# KiCad board Marble_Tiny.kicad_pcb (continued)
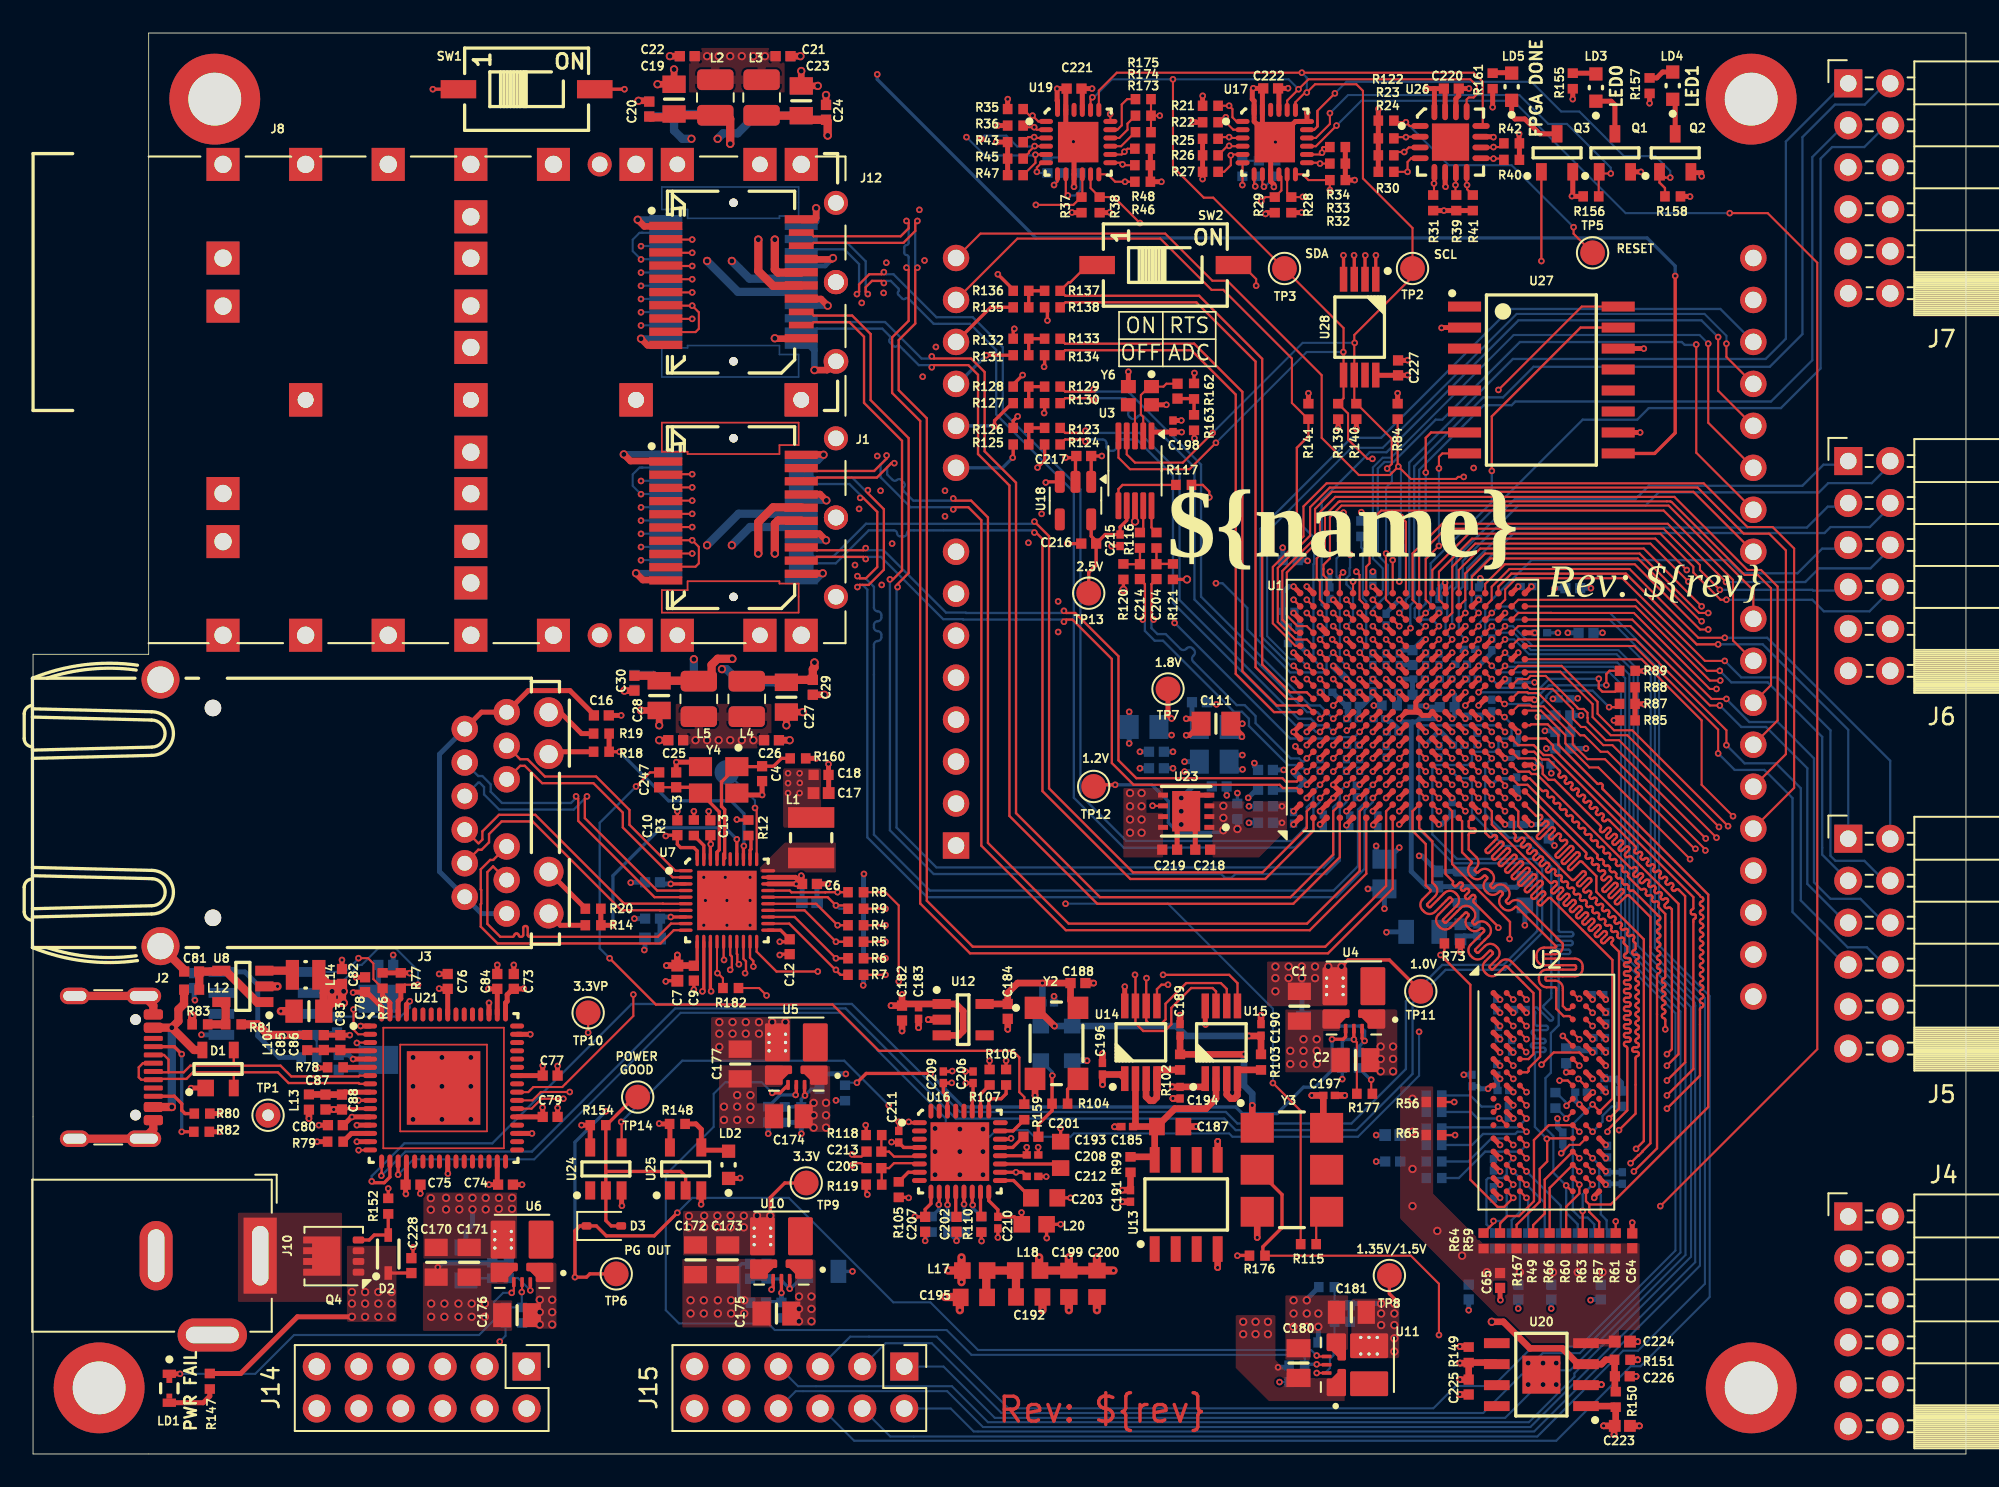
[diagram p0: board, top side]
## Routing (per net, layer and track width the routed paths; a pad name or vN(x,y) marks a point on that pad's centre or on a via; arc(x,y) is an arc through that point) (continued)
/Ethernet/MDI1_N: length 18.2
  Top w0.14: U7.5 37.62,33.7 33,38.32 33,39.67 v1(32.87,39.8)
  Bottom w0.14: v1(32.87,39.8) 32.87,39.71 32.56,39.4 28.38,39.4 27.7,40.08 27.7,40.53 27.19,41.03 26.95,41.03 J3.5
/Ethernet/MDI1_P: length 18.3
  Top w0.14: U7.4 37.78,34.1 33.4,38.48 33.4,39.67 v1(33.53,39.8)
  Bottom w0.14: v1(33.53,39.8) 32.73,39 28.22,39 27.3,39.92 27.3,40.36 27.03,40.63 26.95,40.63 J3.4
/Ethernet/MDI2_N: length 16.9
  Top w0.14: J3.2 26.95,36.57 27.15,36.57 27.6,37.02 27.6,37.52 28.37,38.28 30.23,38.28 35.61,32.91 37.96,32.91 37.96,32.9 U7.7
/Ethernet/MDI2_P: length 16.9
  Top w0.14: U7.6 38.13,33.3 38.12,33.31 35.77,33.31 30.4,38.68 28.2,38.68 27.2,37.68 27.2,37.19 26.98,36.97 26.95,36.97 J3.3
/Ethernet/MDI3_N: length 18.8
  Top w0.14: U7.10 38.78,31.7 37.98,30.9 28.12,30.9 27.1,31.92 27.1,33.28 27.13,33.31 27.13,34.13 27.1,34.16 27.1,35.38 27.67,35.95 27.85,35.95 J3.9
/Ethernet/MDI3_P: length 18.8
  Top w0.14: U7.9 38.62,32.1 37.82,31.3 30.05,31.3 arc(29.97,31.33) 29.94,31.41 29.94,31.85 arc(29.91,31.92) 29.83,31.95 29.78,31.95 arc(29.71,31.92) 29.67,31.85 29.67,31.41 arc(29.64,31.33) 29.57,31.3 29.5,31.3 arc(29.43,31.33) 29.4,31.4 arc(29.37,31.47) 29.3,31.5 29.23,31.5 arc(29.16,31.47) 29.13,31.4 arc(29.1,31.33) 29.03,31.3 28.28,31.3 27.5,32.08 27.5,35.22 27.83,35.55 27.85,35.55 J3.8
/Ethernet/RX0_T: length 6
  Top w0.14: R4.2 v1(48.7,32) 47.4,33.3 U7.25
  Bottom w0.14: R4.2 v1(48.7,32)
/Ethernet/RX1_T: length 6.3
  Top w0.14: R5.2 v1(48.6,31) 46.7,32.9 U7.24
  Bottom w0.14: R5.2 v1(48.6,31)
/Ethernet/RX2_T: length 6.6
  Top w0.14: R6.2 v1(48.6,30) 46.1,32.5 U7.23
  Bottom w0.14: R6.2 v1(48.6,30)
/Ethernet/RX3_T: length 7
  Top w0.14: R7.2 48.87,29 45.77,32.1 U7.22
  Bottom w0.14: v1(48.6,29.3) 48.9,29 R7.2
/Ethernet/RXC_T: length 5.5
  Top w0.14: U7.27 45.8,34.1 45.91,33.99 47.96,33.99 47.96,34 R8.2
  Bottom w0.14: R8.2 v1(48.7,34)
/Ethernet/RXCTL_T: length 5.9
  Top w0.14: U7.26 48.1,33.7 v1(48.6,33.2) 49.13,33.2 R9.2
  Bottom w0.14: R9.2 48.8,33 v1(48.6,33.2)
/FPGA_MISC/CCLK: length 36.7
  Top w0.127: U27.16 93.75,69.44 v1(88.7,64.4)
  Top w0.14: v1(79.52,43.78) 79.58,43.78 U1.E8
  In5.Cu w0.14: v1(88.7,64.4) 84.7,60.4 84.7,49.94 84.46,49.7 84.14,49.7 83.34,48.9 81.74,48.9 81.5,48.66 81.5,48.34 81.26,48.1 80.94,48.1 80.7,47.86 80.7,47.54 80.46,47.3 79.34,47.3 79.1,47.06 79.1,44.1 79.42,43.78 v1(79.52,43.78)
/FPGA_MISC/VREF: length 14.5
  Top w0.3: U1.L10 v1(85.1,46.1)
  In5.Cu w0.3: v1(83.9,36.2) 83.4,36.7 83.4,43.6 85.1,45.3 v1(85.1,46.1)
  Bottom w0.3: U9.2 86.65,35.26 C151.2 84.06,36.2 v1(83.9,36.2)
/SFP/I2C_SFP0_SCL: length 52.5
  Top w0.127: 38.3,71.1 v1(39.9,71.1) ; R24.1 82.57,78.8 v1(83,78.8) 83.28,79.07 U26.3
  In2.Cu w0.127: v1(83,78.8) 81.6,80.2 81.2,80.2 79.8,81.6 74.4,81.6 73,80.2 71.4,80.2 71.1,79.9 69.7,79.9 69.23,80.37 68.48,80.37 68.47,80.36 67.93,80.36 67.92,80.37 64.77,80.37 61.84,77.44 61.53,77.44 61.04,76.96 60.5,76.96 60.35,77.1 52.93,77.1 49.43,73.6 46.9,73.6 44.4,71.1 v1(39.9,71.1)
/SFP/I2C_SFP0_SDA: length 52.9
  Top w0.127: R23.1 82.44,79.7 v1(83.1,79.7) 83.12,79.72 U26.2 ; 38.3,71.9 v1(39.9,71.9)
  In2.Cu w0.127: v1(83.1,79.7) 82.3,80.5 81.4,80.5 80.05,81.85 74.05,81.85 72.7,80.5 70.8,80.5 70.53,80.23 69.9,80.23 69.43,80.7 68.45,80.7 68.36,80.61 68.04,80.61 67.95,80.7 63.56,80.7 62.1,79.24 62.1,78.3 61.5,77.7 61.43,77.7 60.94,77.21 60.6,77.21 60.31,77.5 52.9,77.5 49.3,73.9 46.6,73.9 44.3,71.6 40.2,71.6 v1(39.9,71.9)
/SFP/I2C_SFP1_SCL: length 58.4
  Top w0.127: U26.5 84.83,76.92 v1(84.8,76.9) 84.8,76.24 R31.1 ; 38.3,56.9 v1(39.9,56.9)
  In2.Cu w0.127: v1(39.9,56.9) 41.9,58.9 48.98,58.9 50.98,60.9 52.1,60.9 52.28,60.72 60.52,60.72 62.9,63.1 62.9,66.6 65.4,69.1 68.9,69.1 73.9,74.1 79.2,74.1 82,76.9 v1(84.8,76.9)
/SFP/I2C_SFP1_SDA: length 57.8
  Top w0.127: R30.1 v1(83.2,77.6) 83.2,78.2 83.42,78.42 U26.4 ; 38.3,57.7 v1(39.9,57.7)
  In2.Cu w0.127: v1(39.9,57.7) 41.6,59.4 49.07,59.4 50.97,61.3 54.94,61.3 55.26,60.98 60.28,60.98 62.5,63.2 62.5,66.8 65.2,69.5 68.6,69.5 73.6,74.5 78.5,74.5 81.6,77.6 v1(83.2,77.6)
/SFP/I2C_SFP2_SCL: length 70.7
  Top w0.127: U26.8 86.78,76.82 v1(86.8,76.8) 86.8,76.54 R41.1
  In2.Cu w0.127: v1(36.8,70.7) 36.15,71.35 36.15,73.37 40.29,77.51 40.29,80.52 41.05,81.27 54.47,81.27 57.2,84 83.6,84 87,80.6 88.05,80.6 88.79,79.86 88.79,78.24 87.35,76.8 v1(86.8,76.8)
  Bottom w0.127: v1(36.8,70.7) 36.81,70.71 38.3,70.71
/SFP/I2C_SFP2_SDA: length 75.1
  Top w0.127: R39.1 86.1,76.24 v1(86.1,76.8) 86.12,76.82 U26.7
  In2.Cu w0.127: v1(36.8,69.9) 35.9,70.8 35.9,75.76 37.81,77.67 37.81,79.68 39.82,81.7 54.2,81.7 57,84.5 83.6,84.5 87,81.1 88.2,81.1 89.1,80.2 89.1,77.8 87.7,76.4 86.5,76.4 v1(86.1,76.8)
  Bottom w0.127: 38.3,69.91 36.81,69.91 v1(36.8,69.9)
/SFP/I2C_SFP3_SCL: length 67.5
  Top w0.127: U26.10 88.38,79.07 v1(88.4,79.1) 88.95,79.1 89.18,79.32
  In2.Cu w0.127: v1(88.4,79.1) 85.2,79.1 84.5,78.4 82.6,78.4 81.25,79.75 80.3,79.75 80.26,79.71 79.94,79.71 79.9,79.75 78.52,79.75 78.19,80.08 74.58,80.08 69.9,75.4 66.84,75.4 65.44,74 61.6,74 56.45,68.85 56.28,68.85 56.28,68.85 54.05,68.85 52.86,67.66 47.56,67.66 45.57,65.67 44.9,65.67 43.42,64.2 41.2,64.2 37.85,60.85 37.85,57.54 v1(36.8,56.49)
  Bottom w0.127: 38.3,56.5 36.81,56.5 v1(36.8,56.49)
/SFP/I2C_SFP3_SDA: length 67
  Top w0.127: 89.11,78.4 v1(88.4,78.4) 88.38,78.42 U26.9
  In2.Cu w0.127: 81.3,79.2 76.6,79.2 75.1,77.7 72.8,77.7 70.1,75 66.9,75 65.64,73.74 61.94,73.74 56.8,68.6 56.39,68.6 56.39,68.6 54.6,68.6 53.36,67.35 47.99,67.35 47.99,67.35 47.75,67.35 45.76,65.36 44.99,65.36 43.52,63.9 41.5,63.9 38.2,60.6 38.2,57.09 v1(36.8,55.69) ; v1(88.4,78.4) 85.4,78.4 85,78 82.5,78 81.33,79.17
  Bottom w0.127: 38.3,55.7 36.81,55.7 v1(36.8,55.69)
/SFP/RS0: length 44.6
  Top w0.127: U17.4 72.42,79.15 v1(72.4,79.17) 72.31,79.17 R26.1 ; 38.3,69.5 v1(39.9,69.5) 40.3,69.1 40.3,68.1 40.1,67.9 38.3,67.9
  In2.Cu w0.127: v1(39.9,69.5) 45,69.5 47.4,71.9 49.7,71.9 50.45,72.65 50.45,73.65 53.2,76.4 61.95,76.4 62.19,76.64 62.19,76.87 65.03,79.71 68.69,79.71 69.23,79.17 v1(72.4,79.17)
/SFP/RS1: length 60
  Top w0.127: 38.3,53.7 40.1,53.7 40.3,53.9 40.3,54.9 v1(39.9,55.3) 38.3,55.3 ; R33.1 v1(77.9,78.1) 77.85,78.15 U17.13
  In2.Cu w0.127: 73.48,76.52 73.36,76.41 ; 73.48,76.52 68.85,71.9 62.8,71.9 60.6,69.7 60.6,68 56.37,63.77 55.43,63.77 55.2,64 49.35,64 47.42,62.07 44.17,62.07 43.55,62.7 41.9,62.7 39.1,59.9 39.1,56.1 v1(39.9,55.3) ; 73.48,76.52 73.59,76.64 73.59,76.93 73.8,77.14 76.2,77.14 77.16,78.1 v1(77.9,78.1)
/SFP/RS2: length 34.3
  Top w0.127: U19.4 60.64,79.15 v1(60.63,79.16) 60.29,78.82 60.29,78.75 R45.1
  In2.Cu w0.127: v1(57.4,79.6) 57.1,79.3 43.56,79.3 36.8,72.54 v1(36.8,72.3)
  Bottom w0.127: v1(60.63,79.16) 60.6,79.14 59.56,79.14 58.91,79.79 57.59,79.79 v1(57.4,79.6) ; 36.9,73.91 36.71,73.91 36.3,73.5 36.3,72.8 v1(36.8,72.3) 36.81,72.31 38.3,72.31 ; 36.9,73.91 36.81,73.91 36.8,73.9 ; 36.9,73.91 38.3,73.91
/SFP/RS3: length 47
  Top w0.127: U19.13 65.85,78.15 66,78 R46.1
  In2.Cu w0.127: v1(36.8,58.09) 37.2,58.49 37.2,61 41,64.8 43,64.8 44.5,66.3 45.4,66.3 47.3,68.2 51.9,68.2 54.7,71 54.7,72.84 55.68,73.82 58.32,73.82 59.25,74.75 63.25,74.75 64.4,75.9 64.4,76.5 v1(65.95,78.05)
  Bottom w0.127: 36.8,59.69 36.81,59.7 36.9,59.7 ; 38.3,59.7 36.9,59.7 ; 36.9,59.7 36.71,59.7 36.3,59.29 36.3,58.59 v1(36.8,58.09) 36.81,58.1 38.3,58.1
/SFP/SFP0_DEF0: length 39.9
  Top w0.127: U17.3 72.45,79.65 v1(72.4,79.7) 71.83,79.7 R25.1 ; 38.3,70.3 v1(39.9,70.3)
  In2.Cu w0.127: v1(39.9,70.3) 44.1,70.3 47.1,73.3 49.6,73.3 53.1,76.8 60.29,76.8 60.39,76.7 61.15,76.7 61.64,77.19 62.09,77.19 64.95,80.05 68.85,80.05 69.25,79.65 71.45,79.65 71.5,79.7 v1(72.4,79.7)
/SFP/SFP0_LOS: length 43.6
  Top w0.127: R27.1 72.1,77.6 72.5,78 v1(72.5,78.6) 72.55,78.65 U17.5 ; 38.3,68.7 v1(39.9,68.7)
  In2.Cu w0.127: v1(39.9,68.7) 44.7,68.7 45.1,69.1 47.6,69.1 47.64,69.06 50.46,69.06 51,69.6 51,73.6 53.5,76.1 62.01,76.1 62.62,76.71 62.62,76.86 62.85,77.09 62.86,77.09 65.08,79.3 68.6,79.3 69.3,78.6 v1(72.5,78.6)
/SFP/SFP0_TX_DIS: length 40.7
  Top w0.127: R22.2 72.1,80.6 72.2,80.7 v1(72.2,80.9) 72.2,80.6 72.65,80.15 U17.2 ; 38.3,72.7 v1(39.9,72.7)
  In2.Cu w0.127: v1(39.9,72.7) 44.8,72.7 46.4,74.3 49.2,74.3 52.8,77.9 60.51,77.9 60.6,77.99 61.19,77.99 61.6,78.4 61.6,79.1 63.5,81 64.1,81 64.9,81.8 70,81.8 70.9,80.9 v1(72.2,80.9)
/SFP/SFP0_TX_FAULT: length 40.5
  Top w0.127: 38.3,73.5 v1(39.9,73.5) ; U17.1 72.85,80.65 72.6,80.9 72.6,81.4 v1(72.4,81.6) R21.1
  In2.Cu w0.127: v1(72.4,81.6) 72.3,81.7 70.5,81.7 70.01,82.19 64.79,82.19 64,81.4 63.4,81.4 61.3,79.3 61.3,78.6 60.94,78.24 60.5,78.24 60.45,78.2 52.6,78.2 49,74.6 45.7,74.6 45.04,73.94 40.34,73.94 v1(39.9,73.5)
/SFP/SFP1_DEF0: length 55.5
  Top w0.127: 38.3,56.1 v1(39.9,56.1) ; v1(78.5,76.5) 78.49,76.51 R32.1 77.2,77.1 76.85,77.45 U17.12
  In2.Cu w0.127: v1(39.9,56.1) 39.4,56.6 39.4,59.5 40.3,60.4 46.15,60.4 49.25,63.5 56.64,63.5 60.87,67.73 60.87,69.57 62.8,71.5 68.93,71.5 73.64,76.21 75.18,76.21 75.28,76.31 76.01,76.31 76.5,76.8 78.2,76.8 v1(78.5,76.5)
/SFP/SFP1_LOS: length 57.9
  Top w0.127: R34.1 78.08,79.1 78.02,79.05 v1(78.02,78.76) 77.91,78.65 U17.14 ; 38.3,54.5 v1(39.9,54.5)
  In2.Cu w0.127: v1(78.02,78.76) 77.27,78.76 75.95,77.44 73.09,77.44 72.75,77.1 72.75,76.95 68.5,72.7 62,72.7 57.3,68 57.3,67.1 56.5,66.3 55.7,66.3 53.95,64.55 49.05,64.55 48.1,63.6 48.1,63.11 47.49,62.5 45.23,62.5 44.52,63.2 41.9,63.2 38.76,60.05 38.76,55.64 v1(39.9,54.5)
/SFP/SFP1_TX_DIS: length 50.7
  Top w0.127: v1(76.86,76.08) 76.85,76.07 R29.2 75.91,76.32 U17.11 ; 38.3,58.5 v1(39.9,58.5)
  In2.Cu w0.127: v1(39.9,58.5) 41.1,59.7 48.94,59.7 50.94,61.7 54.9,61.7 55.37,61.23 60.03,61.23 62.1,63.3 62.1,67.2 64.9,70 68.65,70 74.07,75.43 74.51,75.43 74.68,75.6 76.38,75.6 v1(76.86,76.08)
/SFP/SFP1_TX_FAULT: length 46.5
  Top w0.127: v1(74.34,75.82) 74.6,76.07 R28.1 75.56,76.47 75.56,77.3 U17.10 ; 38.3,59.3 v1(39.9,59.3)
  In2.Cu w0.127: v1(39.9,59.3) 40.6,60 48.8,60 52.05,63.24 57.14,63.24 61.9,68 61.9,69.9 63.1,71.1 69.15,71.1 73.87,75.82 v1(74.34,75.82)
/SFP/SFP2_DEF0: length 37
  Top w0.127: U19.3 60.65,79.65 v1(60.6,79.7) 60.23,79.7 R43.1
  In2.Cu w0.127: v1(36.8,71.5) 36.41,71.89 36.41,73.26 40.7,77.55 40.7,80.3 41.35,80.95 58.9,80.95 59.72,81.77 60.85,81.77 61.17,81.45 61.17,80.27 v1(60.6,79.7)
  Bottom w0.127: 38.3,71.51 36.81,71.51 v1(36.8,71.5)
/SFP/SFP2_LOS: length 33.2
  Top w0.127: R47.1 60.68,78.14 v1(60.68,78.63) 60.69,78.65 U19.5
  In2.Cu w0.127: v1(36.8,73.1) 41,77.3 41,80.12 41.55,80.67 55.53,80.67 v1(56.5,79.7)
  Bottom w0.127: v1(60.68,78.63) 60.63,78.59 57.61,78.59 v1(56.5,79.7) ; v1(36.8,73.1) 36.81,73.11 38.3,73.11
/SFP/SFP2_TX_DIS: length 35.7
  Top w0.127: U19.2 60.75,80.15 v1(60.6,80.3) 60.03,80.3 R36.2
  In2.Cu w0.127: v1(60.6,80.3) 60.9,80.6 60.9,81.15 60.65,81.4 59.9,81.4 59.5,81 59.5,79.9 58.6,79 49.7,79 47.56,76.86 41.48,76.86 37.4,72.77 37.4,69.7 v1(36.8,69.1)
  Bottom w0.127: v1(36.8,69.1) 36.81,69.11 38.3,69.11
/SFP/SFP2_TX_FAULT: length 34.4
  Top w0.127: R35.1 60.33,81 v1(60.5,81) 60.85,80.65 U19.1
  In2.Cu w0.127: v1(36.8,68.3) 38.2,69.7 38.2,72.9 39.9,74.6 44.5,74.6 45.8,75.9 47.2,75.9 49.9,78.6 58.8,78.6 60,79.8 60,80.5 v1(60.5,81)
  Bottom w0.127: 38.3,68.31 36.81,68.31 v1(36.8,68.3)
/SFP/SFP3_DEF0: length 43.2
  Top w0.127: v1(66.1,77) 66.3,77 ; 66.3,77 R44.1 ; 66.3,77 65.5,77 65.05,77.45 U19.12
  In2.Cu w0.127: v1(36.8,57.29) 37.6,58.09 37.6,61 41.1,64.5 43.2,64.5 44.7,66 45.46,66 47.37,67.91 47.45,67.91 47.45,67.92 52.32,67.92 55.79,71.39 56.69,71.39 59.6,74.3 63.4,74.3 v1(66.1,77)
  Bottom w0.127: 38.3,57.3 36.81,57.3 v1(36.8,57.29)
/SFP/SFP3_LOS: length 42.9
  Top w0.127: U19.14 65.9,78.65 v1(66.06,78.82) 66.25,79 R48.1
  In2.Cu w0.127: v1(66.06,78.82) 65.99,78.82 62.38,75.2 59.1,75.2 58.15,74.25 55.75,74.25 54.4,72.9 54.4,71.4 51.5,68.5 47.1,68.5 45.2,66.6 44.38,66.6 42.88,65.1 40.7,65.1 36.8,61.2 v1(36.8,58.89)
  Bottom w0.127: v1(36.8,58.89) 36.81,58.9 38.3,58.9
/SFP/SFP3_TX_DIS: length 46.7
  Top w0.127: U19.11 64.01,76.62 R38.2 65.43,76.07 v1(67,74.5)
  In2.Cu w0.127: v1(36.8,54.89) 38.5,56.59 38.5,60.3 41.8,63.6 43.67,63.6 45.07,65 46,65 48.1,67.1 53.95,67.1 55.15,68.3 57,68.3 62,73.3 65.8,73.3 v1(67,74.5)
  Bottom w0.127: 38.3,54.9 36.81,54.9 v1(36.8,54.89)
/SFP/SFP3_TX_FAULT: length 45.1
  Top w0.127: v1(60.7,75.6) 62.97,75.6 63.44,76.07 R37.1 63.51,76.12 U19.10
  In2.Cu w0.127: v1(36.8,54.09) 36.2,54.69 36.2,61.07 37.95,62.82 37.95,63.25 42.7,68 45.7,68 46.5,68.8 50.7,68.8 52.2,70.3 52.2,72.4 55,75.2 57.2,75.2 57.6,75.6 v1(60.7,75.6)
  Bottom w0.127: v1(36.8,54.09) 36.81,54.1 38.3,54.1
/USB/USB_N: length 16.4
  Top w0.14: D1.3 12.15,23.55 12.2,23.5 ; J2.B7 7.93,24.15 8.2,23.88 8.2,23.1 ; 12.2,23.5 9.52,23.5 9.12,23.1 8.2,23.1 ; 12.2,23.5 14.98,23.5 15.63,22.85 19.71,22.85 19.76,22.9 U21.7 ; 8.2,23.1 7.33,23.1 J2.A7
/USB/USB_P: length 17.1
  Top w0.14: J2.A6 6.65,23.65 6.4,23.4 6.4,22.8 6.55,22.65 J2.B6 7.33,22.7 9.28,22.7 9.68,23.1 12.2,23.1 ; D1.2 12.15,23.05 12.2,23.1 ; 12.2,23.1 14.82,23.1 15.47,22.45 19.71,22.45 19.76,22.4 U21.8
AD0_N: length 29.3
  Top w0.14: U1.C8 v1(77.9,43.7) ; R124.2 62.47,61.4 63.57,61.4 v1(63.7,61.27)
  Bottom w0.14: v1(63.7,61.27) 63.83,61.4 64.74,61.4 arc(64.91,61.33) 64.98,61.16 64.98,60.95 arc(65.05,60.78) 65.22,60.71 65.34,60.71 arc(65.51,60.78) 65.58,60.95 65.58,61.16 arc(65.65,61.33) 65.82,61.4 66.82,61.4 69,59.22 69,51.52 76.42,44.1 77.25,44.1 77.26,44.1 77.26,44.1 77.5,43.86 77.5,43.86 77.65,43.7 v1(77.9,43.7)
AD0_P: length 29.3
  Top w0.14: R123.2 62.47,61.8 63.57,61.8 v1(63.7,61.93) ; U1.D8 v1(78.7,43.7)
  Bottom w0.14: v1(63.7,61.93) 63.83,61.8 66.98,61.8 69.4,59.38 69.4,51.68 76.58,44.5 77.34,44.5 77.5,44.34 77.5,44.34 77.74,44.1 77.74,44.1 77.74,44.1 78.3,44.1 v1(78.7,43.7)
AD1_N: length 33.6
  Top w0.14: R134.2 62.47,66.8 70.12,66.8 72.8,64.12 72.8,47.22 75.12,44.9 U1.A9
AD1_P: length 34.6
  Top w0.14: U1.B9 77.1,45.3 75.28,45.3 73.2,47.38 73.2,64.28 70.28,67.2 62.47,67.2 R133.2
AD8_N: length 30.2
  Top w0.14: R130.2 62.47,63.9 64.07,63.9 v1(64.2,63.77) ; U1.C9 v1(77.9,44.5)
  Bottom w0.14: v1(77.9,44.5) 77.9,44.73 77.73,44.9 77.12,44.9 70.3,51.72 70.3,59.72 67.22,62.8 arc(67.05,62.87) 66.88,62.8 66.78,62.7 arc(66.61,62.63) 66.44,62.7 66.35,62.79 arc(66.28,62.96) 66.35,63.13 66.45,63.22 arc(66.52,63.39) 66.45,63.56 66.12,63.9 64.33,63.9 v1(64.2,63.77)
AD8_P: length 30.2
  Top w0.14: U1.D9 v1(78.7,44.5) ; v1(64.2,64.43) 64.07,64.3 62.47,64.3 R129.2
  Bottom w0.14: v1(78.7,44.5) 77.9,45.3 77.28,45.3 70.7,51.88 70.7,59.88 66.28,64.3 64.33,64.3 v1(64.2,64.43)
AD9_N: length 35.4
  Top w0.14: U1.A10 75.92,45.7 74,47.62 74,66.12 70.42,69.7 62.49,69.7 62.19,69.4 R138.2
AD9_P: length 39.3
  Top w0.14: R137.2 62.19,70.4 62.49,70.1 70.58,70.1 74.4,66.28 74.4,47.78 76.08,46.1 77.1,46.1 U1.B10 ; R137.2 62.17,70.38 ; R137.2 62.68,70.91 62.79,70.91 63.84,71.96 SW2.1
ARDUINO_D0: length 39.8
  Top w0.14: U1.G14 v1(81.1,49.3)
  In5.Cu w0.14: A1.15 94.11,72.38 83.02,61.3 83.02,59.95 83.04,59.93 83.04,59.6 83.02,59.58 83.02,59.12 82.2,58.3 82.2,55.6 82.7,55.1 82.7,53.9 82.3,53.5 82.3,49.93 82.07,49.7 81.5,49.7 v1(81.1,49.3)
ARDUINO_D1: length 36.1
  Top w0.14: U1.H16 v1(82.7,50.1)
  In5.Cu w0.14: A1.16 92.32,69.84 83.4,60.92 83.4,58.9 83.2,58.7 83.2,50.6 v1(82.7,50.1)
ARDUINO_D2: length 46
  Top w0.14: U1.A12 v1(76.3,47.7)
  Bottom w0.14: v1(76.3,47.7) 76.12,47.7 74.3,49.52 74.3,56 79.8,61.5 81.6,61.5 89.4,69.3 102.14,69.3 A1.17
ARDUINO_D3: length 47.4
  Top w0.127: v1(102.5,67.2) 102.5,66.39 104.13,64.76
  Top w0.14: U1.B12 v1(77.1,47.7)
  Bottom w0.127: v1(77.1,47.7) 76.7,48.1 76.1,48.1 74.7,49.5 74.7,55.8 79.8,60.9 81.7,60.9 89.8,69 101.17,69 102.5,67.67 v1(102.5,67.2)
ARDUINO_D4: length 44.5
  Top w0.127: v1(102,67.6) 102,64.35 A1.19
  Top w0.14: U1.C14 v1(77.9,49.3)
  Bottom w0.14: v1(77.9,49.3) 78.3,49.7 78.3,51.1 78,51.4 78,57.72 80.91,60.63 81.93,60.63 89.91,68.61 100.99,68.61 v1(102,67.6)
ARDUINO_D5: length 41.6
  Top w0.127: A1.20 101.4,62.41 v1(101.4,67.2)
  Top w0.14: U1.G17 v1(81.1,51.7)
  Bottom w0.127: v1(101.4,67.2) 100.88,67.72 89.62,67.72 82.2,60.3 81.69,60.3 81.1,59.71 81.1,54.2 81.7,53.6 81.7,52.3 v1(81.1,51.7)
ARDUINO_D6: length 43.9
  Top w0.127: v1(100.67,67.15) 100.67,60.6 104.13,57.14
  Top w0.14: U1.G16 v1(81.1,50.9)
  Bottom w0.14: v1(81.1,50.9) 81.1,51.14 82,52.04 82,53.8 81.4,54.4 81.4,59.64 81.8,60.04 82.34,60.04 84.9,62.6 85.3,62.6 90,67.3 99.8,67.3 99.97,67.12 100.65,67.12 v1(100.67,67.15)
ARDUINO_D7: length 37.4
  Top w0.13: A1.22 100.5,58.23 78.63,58.23 77.6,57.2 77.6,55.42 75.62,53.44 75.62,50.5 76.42,49.7 U1.A15
ARDUINO_D8: length 34.6
  Top w0.127: U1.C18 78.3,53 78.11,53.19 78.11,53.24 78.11,53.24 78.11,53.56 78.11,53.56 78.11,53.81 78.5,54.2 78.5,56.7 79.2,57.4 99,57.4 104.13,52.27 A1.23
ARDUINO_D9: length 33.8
  Top w0.127: U1.F18 80.7,53.7 80.9,53.9 80.9,55.05 80.9,55.05 80.9,56.4 81.6,57.1 98.7,57.1 102.9,52.9 102.9,49.23 A1.24
ARDUINO_D10: length 42.9
  Top w0.127: U1.C17 77.89,51.71 77.89,52.81 77.7,53 77.7,54.2 78.2,54.7 78.2,56.8 79.03,57.62 79.06,57.62 79.09,57.65 98.89,57.65 99.11,57.65 99.14,57.62 99.17,57.62 103.6,53.2 104.4,53.2 105.2,52.4 105.2,46.53 A1.25
ARDUINO_D11: length 49.6
  Top w0.13: U1.B15 77.09,50.11 76.54,50.11 75.89,50.75 75.89,53.35 77.9,55.36 77.9,57 78.83,57.92 99.36,57.92 103.78,53.5 104.6,53.5 105.6,52.5 105.6,44.39 104.13,42.92
ARDUINO_D12: length 56.5
  Top w0.13: A1.27 106.1,42.35 106.1,54.69 105.09,55.7 103.55,55.7 100.76,58.49 78.49,58.49 77.3,57.3 77.3,55.58 75.34,53.63 75.34,50.36 76.41,49.29 77.11,49.29 U1.B14
ARDUINO_D13: length 60
  Top w0.127: U1.A14 76.42,48.9 75.04,50.27 75.04,53.69 76.9,55.54 76.9,57.35 78.3,58.75 101.13,58.75 103.77,56.1 105.3,56.1 106.6,54.8 106.6,40.31 104.13,37.84
CFG_DIN: length 11.2
  Top w0.127: U27.8 85.3,60.55 85.1,60.35 v1(85.1,59.65) ; U1.L17 84.3,51.7 84.3,54.16 v1(85.1,54.96)
  Bottom w0.127: v1(85.1,59.65) 85.1,59.39 85.1,59.39 v1(85.1,54.96)
CFG_FCS: length 15.4
  Top w0.14: U27.7 84.62,61.82 84.3,61.5 84.3,59.4 v1(84.3,59.4) ; U1.L15 v1(85.1,50.1)
  Bottom w0.14: v1(84.3,59.4) 84.3,59.4 84.3,51.47 83.9,51.07 83.9,50.74 84.14,50.5 84.7,50.5 v1(85.1,50.1)
CFG_MOSI: length 24
  Top w0.14: U27.15 93.67,68.17 88.3,62.8 v1(88.3,59.5) ; U1.K16 v1(84.3,50.9)
  Bottom w0.14: v1(84.3,50.9) 84.6,51.2 84.6,53.9 88.3,57.6 v1(88.3,59.5)
CLK2: length 16.9
  Top w0.14: R117.2 70.8,58.65 71.2,58.25 v1(71.2,57.9) ; U1.E15 v1(79.5,50.1)
  In2.Cu w0.14: v1(79.72,54.43) 77.33,54.43 77.26,54.5 75.96,54.5 75.86,54.4 75.44,54.4 75.41,54.43 74.67,54.43 v1(71.2,57.9)
  Bottom w0.14: v1(79.72,54.43) 79.72,53.64 79.69,53.61 79.69,53.19 79.5,53 79.5,52.63 79.9,52.24 79.9,50.5 v1(79.5,50.1)
CLK20_VCXO: length 64.8
  Top w0.127: v1(75.05,22.45) 76.73,20.77 R115.2
  Top w0.14: U1.D13 v1(78.7,48.5)
  In2.Cu w0.127: v1(71.6,52.7) 71.6,52 63.4,43.8 63.4,34.2 v1(62.5,33.3)
  Bottom w0.127: v1(62.5,33.3) 68.7,33.3 75.05,26.95 v1(75.05,22.45)
  Bottom w0.14: v1(78.7,48.5) 78.3,48.1 78.3,47.54 78.06,47.3 76.1,47.3 73.5,49.9 73.5,51.2 72,52.7 v1(71.6,52.7)
CLK_25MHZ: length 91.9
  Top w0.14: v1(36.5,40.4) 37.35,41.25 C247.2 ; R159.2 60,21.6 59.7,21.9 59.7,24 59.3,24.4 51.2,24.4 48.4,27.2 37.7,27.2 v1(34.9,30)
  Top w0.2: v1(70.3,65.42) 70.28,65.4 R162.1
  In2.Cu w0.14: v1(36.5,40.4) 43,40.4 45.12,42.52 46.27,42.52 53.8,50.05 53.8,55 54.78,55.97 57.62,55.97 59,57.35 63.25,57.35 70.3,64.4 v1(70.3,65.42)
  Bottom w0.14: v1(36.5,40.4) 34.3,38.2 34.3,30.6 v1(34.9,30)
DDR3_A0: length 45
  Top w0.14: U1.U2 89.9,38.9 89.9,38 93.14,34.76 arc(93.22,34.73) 93.29,34.76 93.78,35.24 arc(93.85,35.28) 93.93,35.24 93.97,35.21 arc(94,35.13) 93.97,35.06 93.48,34.57 arc(93.45,34.49) 93.48,34.42 93.52,34.38 arc(93.59,34.35) 93.67,34.38 94.12,34.83 arc(94.19,34.86) 94.27,34.83 94.31,34.79 arc(94.34,34.72) 94.31,34.64 93.86,34.19 arc(93.83,34.12) 93.86,34.04 93.9,34 arc(93.97,33.97) 94.05,34 94.11,34.06 arc(94.18,34.1) 94.26,34.06 94.3,34.03 arc(94.33,33.95) 94.3,33.88 94.24,33.81 arc(94.2,33.74) 94.24,33.66 94.27,33.63 arc(94.35,33.59) 94.42,33.63 94.45,33.65 arc(94.53,33.68) 94.6,33.65 94.64,33.61 arc(94.67,33.54) 94.64,33.46 94.61,33.44 arc(94.58,33.36) 94.61,33.29 94.65,33.25 arc(94.73,33.22) 94.8,33.25 94.83,33.27 arc(94.9,33.31) 94.98,33.27 95.02,33.24 arc(95.05,33.16) 95.02,33.09 94.99,33.06 arc(94.96,32.98) 94.99,32.91 95.03,32.87 arc(95.1,32.84) 95.18,32.87 95.21,32.9 arc(95.28,32.93) 95.36,32.9 95.39,32.86 arc(95.43,32.78) 95.39,32.71 95.37,32.68 arc(95.34,32.61) 95.37,32.53 95.41,32.49 arc(95.48,32.46) 95.56,32.49 95.58,32.52 arc(95.66,32.55) 95.73,32.52 95.77,32.48 arc(95.8,32.41) 95.77,32.33 95.75,32.3 arc(95.72,32.23) 95.75,32.15 95.78,32.12 arc(95.86,32.08) 95.94,32.12 95.96,32.14 arc(96.04,32.17) 96.11,32.14 96.15,32.1 arc(96.18,32.03) 96.15,31.95 96.12,31.93 arc(96.09,31.85) 96.12,31.78 96.16,31.74 arc(96.24,31.71) 96.31,31.74 96.34,31.76 arc(96.41,31.8) 96.49,31.76 96.53,31.73 arc(96.56,31.65) 96.53,31.57 96.5,31.55 arc(96.47,31.47) 96.5,31.4 96.54,31.36 arc(96.61,31.33) 96.69,31.36 96.72,31.39 arc(96.79,31.42) 96.87,31.39 96.9,31.35 arc(96.94,31.27) 96.9,31.2 96.88,31.17 arc(96.85,31.1) 96.88,31.02 97,30.9 97,30.58 arc(96.97,30.51) 96.9,30.48 arc(96.83,30.45) 96.8,30.38 96.8,30.32 arc(96.83,30.25) 96.9,30.22 97.1,30.22 arc(97.17,30.19) 97.2,30.12 97.2,30.05 arc(97.17,29.98) 97.1,29.95 arc(97.03,29.92) 97,29.85 97,29.78 arc(97.03,29.71) 97.1,29.68 arc(97.17,29.65) 97.2,29.58 97.2,29.51 arc(97.17,29.44) 97.1,29.42 arc(97.03,29.39) 97,29.32 97,29.25 arc(97.03,29.18) 97.1,29.15 arc(97.17,29.12) 97.2,29.05 97.2,28.98 arc(97.17,28.91) 97.1,28.88 arc(97.03,28.85) 97,28.78 97,28.71 arc(97.03,28.64) 97.1,28.61 arc(97.17,28.59) 97.2,28.51 97.2,28.45 arc(97.17,28.38) 97.1,28.35 arc(97.03,28.32) 97,28.25 97,28.18 arc(97.03,28.11) 97.1,28.08 arc(97.17,28.05) 97.2,27.98 97.2,27.91 arc(97.17,27.84) 97.1,27.81 arc(97.03,27.78) 97,27.71 97,27.65 arc(97.03,27.58) 97.1,27.55 arc(97.17,27.52) 97.2,27.45 97.2,27.38 arc(97.17,27.31) 97.1,27.28 arc(97.03,27.25) 97,27.18 97,27.11 arc(97.03,27.04) 97.1,27.01 arc(97.17,26.98) 97.2,26.91 97.2,26.84 arc(97.17,26.77) 97.1,26.75 arc(97.03,26.72) 97,26.65 97,26.58 arc(97.03,26.51) 97.1,26.48 arc(97.17,26.45) 97.2,26.38 97.2,26.31 arc(97.17,26.24) 97.1,26.21 arc(97.03,26.18) 97,26.11 97,26.04 arc(97.03,25.97) 97.1,25.94 arc(97.17,25.92) 97.2,25.84 97.2,25.78 arc(97.17,25.71) 97.1,25.68 arc(97.03,25.65) 97,25.58 97,25.51 arc(97.03,25.44) 97.1,25.41 arc(97.17,25.38) 97.2,25.31 97.2,25.24 arc(97.17,25.17) 97.1,25.14 arc(97.03,25.11) 97,25.04 97,24.98 arc(97.03,24.91) 97.1,24.88 arc(97.17,24.85) 97.2,24.78 97.2,24.71 arc(97.17,24.64) 97.1,24.61 96.9,24.61 arc(96.83,24.58) 96.8,24.51 96.8,24.44 arc(96.83,24.37) 96.9,24.34 97.1,24.34 arc(97.17,24.31) 97.2,24.24 97.2,24.17 arc(97.17,24.1) 97.1,24.07 arc(97.03,24.05) 97,23.98 97,20.6 v1(96,19.6) ; R65.1 v1(86.08,19.3) ; U2.N3 v1(90.4,17.9)
  In2.Cu w0.14: v1(96,19.6) 95.5,19.1 94.94,19.1 94.64,18.8 92.55,18.8 92.35,18.6 92.34,18.6 92.1,18.36 92.1,18.35 91.65,17.9 v1(90.4,17.9) 90,18.3 87.07,18.3 v1(86.08,19.3)
DDR3_A1: length 42.9
  Top w0.14: v1(93.6,17.1) U2.P7 91.8,16.1 R66.1 ; U1.V3 94,36.4 arc(94.04,36.32) 94,36.24 94,36.24 arc(93.96,36.16) 94,36.09 94.03,36.05 arc(94.11,36.02) 94.19,36.05 94.19,36.06 arc(94.27,36.09) 94.34,36.06 94.38,36.02 arc(94.41,35.94) 94.38,35.87 94.37,35.86 arc(94.34,35.78) 94.37,35.71 94.41,35.67 arc(94.49,35.64) 94.56,35.67 94.57,35.68 arc(94.65,35.71) 94.72,35.68 94.76,35.64 arc(94.79,35.56) 94.76,35.49 94.75,35.48 arc(94.72,35.41) 94.75,35.33 94.79,35.29 arc(94.86,35.26) 94.94,35.29 94.95,35.3 arc(95.02,35.33) 95.1,35.3 95.14,35.26 arc(95.17,35.19) 95.14,35.11 94.95,34.93 arc(94.92,34.85) 94.95,34.78 94.99,34.74 arc(95.07,34.71) 95.14,34.74 95.33,34.92 arc(95.4,34.95) 95.48,34.92 95.51,34.89 arc(95.55,34.81) 95.51,34.73 95.01,34.23 arc(94.98,34.16) 95.01,34.08 95.05,34.04 arc(95.12,34.01) 95.2,34.04 95.7,34.55 arc(95.78,34.58) 95.85,34.55 95.89,34.51 arc(95.92,34.43) 95.89,34.36 95.39,33.85 arc(95.36,33.78) 95.39,33.7 95.43,33.66 arc(95.5,33.63) 95.58,33.66 96.08,34.17 arc(96.16,34.2) 96.23,34.17 96.27,34.13 arc(96.3,34.05) 96.27,33.98 95.77,33.48 arc(95.74,33.4) 95.77,33.32 95.8,33.29 arc(95.88,33.26) 95.96,33.29 96.46,33.79 arc(96.53,33.82) 96.61,33.79 97.9,32.5 97.9,18.8 97.43,18.33 97.43,18.3 97.2,18.07 97.17,18.07 v1(96.7,17.6)
  In2.Cu w0.14: v1(93.6,17.1) 94,16.7 94,16.14 94.23,15.9 95.36,15.9 95.6,16.14 95.6,16.5 v1(96.7,17.6)
DDR3_A2: length 43.9
  Top w0.14: U1.R7 v1(88.3,42.9) ; U2.P3 v1(90.4,17.1)
  In2.Cu w0.13: v1(90.4,17.1) 92.3,17.1 93.21,18.01 93.21,18.06 93.44,18.29 93.49,18.29 93.5,18.3 95.6,18.3 97.12,19.82 97.12,34.97 92.99,39.11 arc(92.92,39.14) 92.84,39.11 92.82,39.09 arc(92.75,39.06) 92.67,39.09 92.64,39.12 arc(92.61,39.19) 92.64,39.27 93.08,39.71 arc(93.11,39.78) 93.08,39.85 93.04,39.89 arc(92.97,39.92) 92.9,39.89 92.46,39.45 arc(92.38,39.42) 92.31,39.45 92.28,39.49 arc(92.24,39.56) 92.28,39.63 92.72,40.07 arc(92.75,40.15) 92.72,40.22 92.68,40.25 arc(92.61,40.28) 92.54,40.25 92.26,39.98 arc(92.19,39.95) 92.12,39.98 90.95,41.15 90.71,41.15 90.47,41.39 90.47,41.63 89.6,42.5 88.7,42.5 v1(88.3,42.9)
  Bottom w0.14: v1(90.4,17.1) 92.47,15.02 R67.1
